# KiCad board 4in1.kicad_pcb
rev: rev3.3
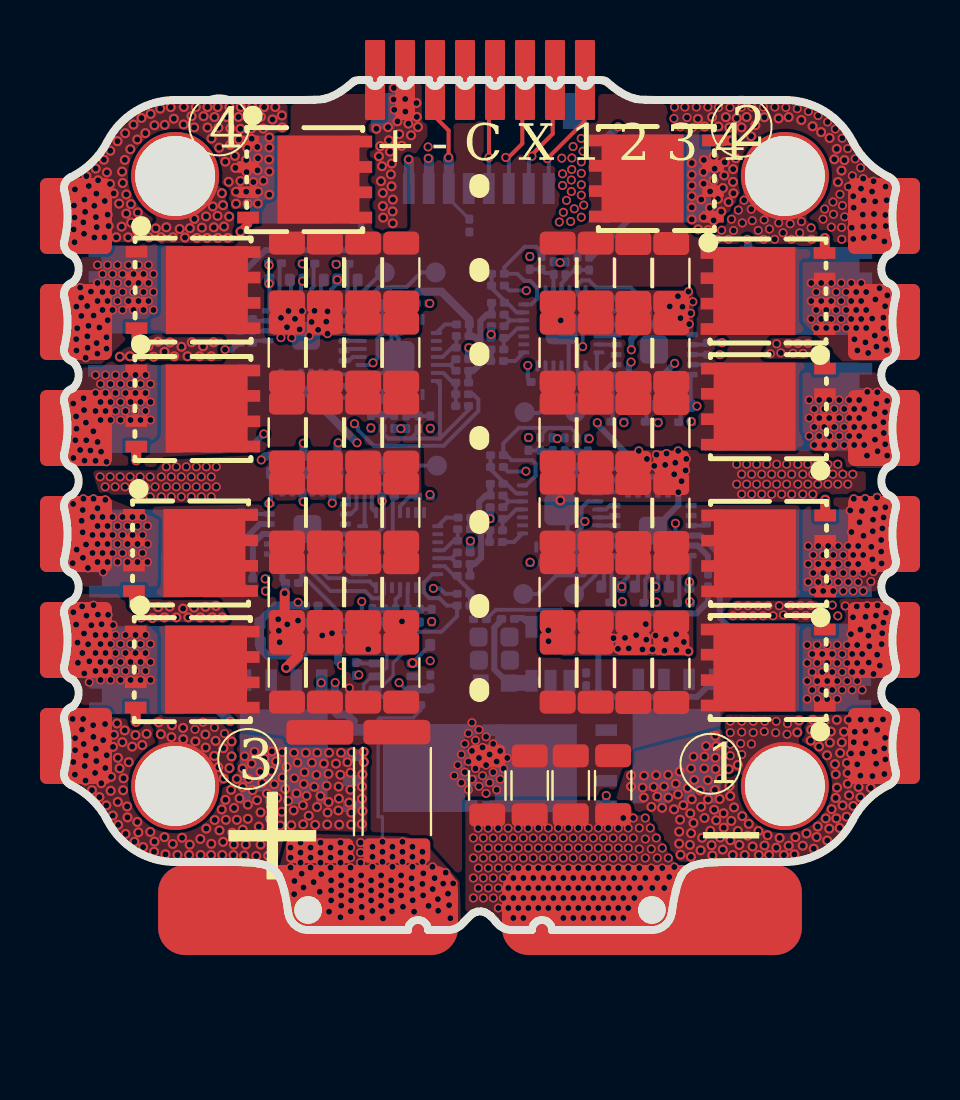
[diagram p0: board, top side]
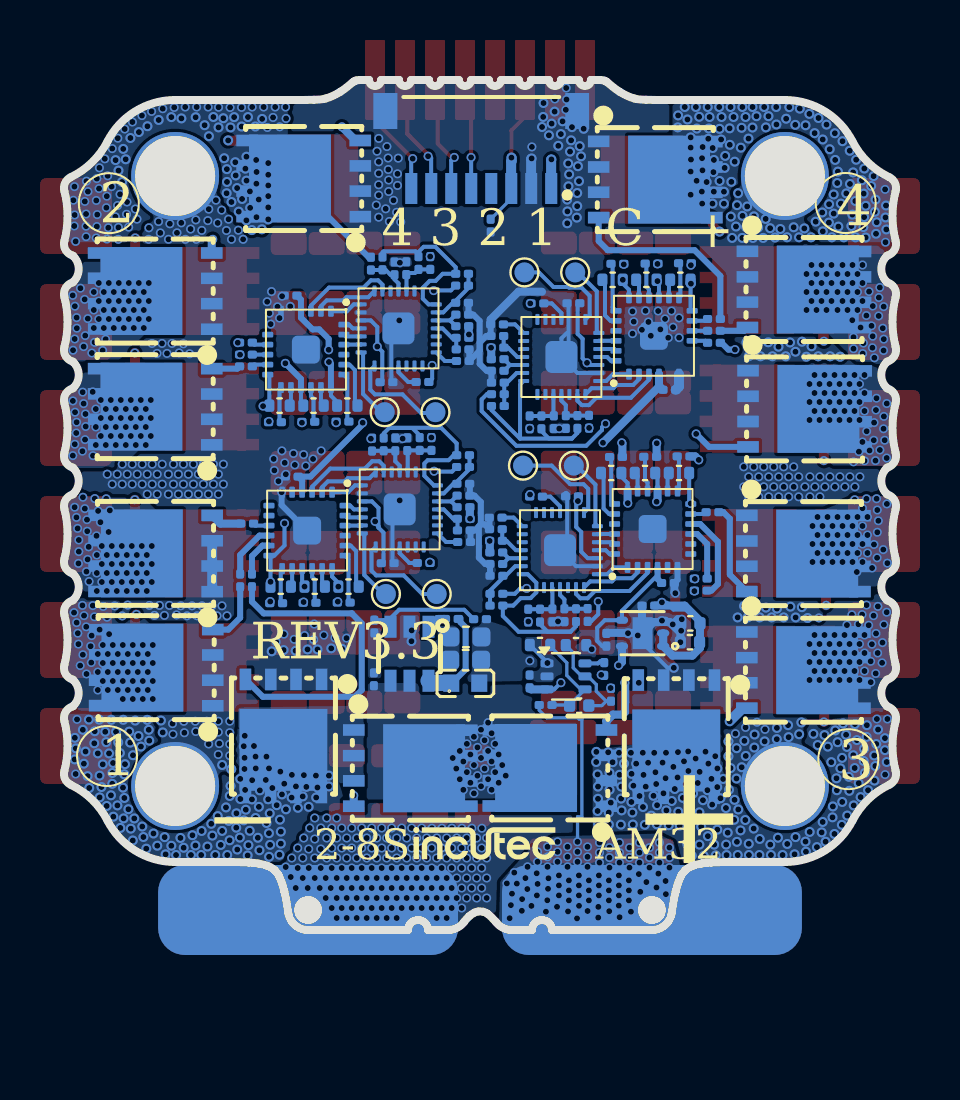
[diagram p1: board, bottom side, seen from below]

Outline 41.58 x 42.5 mm; copper layers: Top, In1.Cu, In2.Cu, In3.Cu, In4.Cu, Bottom. Coordinates in mm from the lower left corner of the outline.
Stack: Top 0.07mm / dielectric 0.1mm FR4 er 4.5 / In1.Cu 0.035mm / dielectric 0.545mm FR4 er 4.5 / In2.Cu 0.035mm / dielectric 0.1mm FR4 er 4.5 / In3.Cu 0.035mm / dielectric 0.545mm FR4 er 4.5 / In4.Cu 0.035mm / dielectric 0.1mm FR4 er 4.5 / Bottom 0.07mm

## Placement (name value [footprint] x y rotation side)
C2  4.7uF  [C_1206_3216Metric]  23.28 7.23 270 top
C2#2  4.7uF  [C_1206_3216Metric]  27.45 7.24 270 top
C3  4.7uF  [C_1206_3216Metric]  21.15 7.23 270 top
C3#2  4.7uF  [C_1206_3216Metric]  25.33 7.24 270 top
C4  22uF  [C_0402_1005Metric]  10.27 15.33 180 bottom
C6  4.7uF  [C_1206_3216Metric]  11.13 24.88 270 top
C8  4.7uF  [C_1206_3216Metric]  13.03 32.88 270 top
C9  4.7uF  [C_1206_3216Metric]  11.13 32.88 270 top
C13  4.7uF  [C_1206_3216Metric]  26.58 32.87 270 top
C13#2  4.7uF  [C_1206_3216Metric]  30.36 32.85 270 top
C13#3  4.7uF  [C_1206_3216Metric]  16.85 32.87 270 top
C14  4.7uF  [C_1206_3216Metric]  24.68 32.87 270 top
C14#2  4.7uF  [C_1206_3216Metric]  28.46 32.85 270 top
C14#3  4.7uF  [C_1206_3216Metric]  14.95 32.87 270 top
C17  4.7uF  [C_1206_3216Metric]  11.13 28.88 90 top
C18  4.7uF  [C_1206_3216Metric]  13.03 28.88 90 top
C26  4.7uF  [C_1206_3216Metric]  28.46 28.85 90 top
C26#2  4.7uF  [C_1206_3216Metric]  24.68 28.87 90 top
C26#3  4.7uF  [C_1206_3216Metric]  14.95 28.87 90 top
C27  4.7uF  [C_1206_3216Metric]  26.58 28.87 90 top
C27#2  4.7uF  [C_1206_3216Metric]  30.36 28.85 90 top
C27#3  4.7uF  [C_1206_3216Metric]  16.85 28.87 90 top
C30  4.7uF  [C_1206_3216Metric]  13.03 24.88 270 top
C32  100nF  [C_0402_WIDE]  29.06 17.17 180 bottom
C33  100nF  [C_0402_WIDE]  29.12 26.22 180 bottom
C34  100nF  [C_0402_WIDE]  12.54 22.85 0 bottom
C35  100nF  [C_0402_WIDE]  12.47 32.51 0 bottom
C36  100nF  [C_0402_WIDE]  30.76 17.17 180 bottom
C37  100nF  [C_0402_WIDE]  30.82 26.22 180 bottom
C38  100nF  [C_0402_WIDE]  10.84 22.85 0 bottom
C39  100nF  [C_0402_WIDE]  10.77 32.51 0 bottom
C40  100nF  [C_0402_WIDE]  15.99 14.24 180 bottom
C41  100nF  [C_0402_WIDE]  17.79 14.25 0 bottom
C42  1uF  [C_0402_1005Metric]  15.83 11.22 0 bottom
C43  4.7uF  [C_1206_3216Metric]  16.85 24.87 270 top
C43#2  4.7uF  [C_1206_3216Metric]  26.58 24.87 270 top
C43#3  4.7uF  [C_1206_3216Metric]  30.36 24.85 270 top
C44  4.7uF  [C_1206_3216Metric]  28.46 24.85 270 top
C44#2  4.7uF  [C_1206_3216Metric]  24.68 24.87 270 top
C44#3  4.7uF  [C_1206_3216Metric]  14.95 24.87 270 top
C47  22uF  [C_0603_1608Metric]  21.49 14.65 0 bottom
C48  100nF  [C_0201_0603Metric]  21.62 21.72 180 bottom
C49  100nF  [C_0201_0603Metric]  25.41 18.34 180 bottom
C50  100nF  [C_0201_0603Metric]  21.6 19.98 180 bottom
C51  22uF  [C_0402_1005Metric]  10.29 14.39 180 bottom
C52  100nF  [C_0201_0603Metric]  21.66 29.03 180 bottom
C53  100nF  [C_0402_WIDE]  27.37 17.17 180 bottom
C54  100nF  [C_0201_0603Metric]  21.68 30.77 180 bottom
C55  100nF  [C_0201_0603Metric]  25.47 27.39 180 bottom
C56  100nF  [C_0402_WIDE]  27.43 26.22 180 bottom
C57  100nF  [C_0201_0603Metric]  30.21 22.67 0 bottom
C58  100nF  [C_0201_0603Metric]  30.27 31.72 0 bottom
C59  100nF  [C_0201_0603Metric]  20 20.04 0 bottom
C60  100nF  [C_0201_0603Metric]  19.98 18.3 0 bottom
C61  100nF  [C_0201_0603Metric]  16.19 21.68 0 bottom
C62  100nF  [C_0402_WIDE]  14.23 22.85 0 bottom
C63  100nF  [C_0201_0603Metric]  11.39 17.35 180 bottom
C64  100nF  [C_0201_0603Metric]  19.93 29.7 0 bottom
C65  100nF  [C_0201_0603Metric]  19.91 27.96 0 bottom
C66  100nF  [C_0201_0603Metric]  16.12 31.34 0 bottom
C67  100nF  [C_0402_WIDE]  14.16 32.51 0 bottom
C68  100nF  [C_0201_0603Metric]  11.32 27.01 180 bottom
C69  4.7uF  [C_1206_3216Metric]  11.13 20.88 90 top
C70  4.7uF  [C_1206_3216Metric]  13.03 20.88 90 top
C74  100nF  [C_0201_0603Metric]  26.1 12.53 90 bottom
C75  100nF  [C_0201_0603Metric]  22.2 15.55 0 bottom
C76  100nF  [C_0201_0603Metric]  14.47 14.51 90 bottom
C81  100nF  [C_0201_0603Metric]  12.37 16.22 0 bottom
C82  4.7uF  [C_1206_3216Metric]  24.68 20.87 90 top
C82#2  4.7uF  [C_1206_3216Metric]  14.95 20.87 90 top
C82#3  4.7uF  [C_1206_3216Metric]  28.46 20.85 90 top
C83  4.7uF  [C_1206_3216Metric]  16.85 20.87 90 top
C83#2  4.7uF  [C_1206_3216Metric]  26.58 20.87 90 top
C83#3  4.7uF  [C_1206_3216Metric]  30.36 20.85 90 top
C84  4.7uF  [C_1206_3216Metric]  26.58 16.9 270 top
C84#2  4.7uF  [C_1206_3216Metric]  16.85 16.9 270 top
C84#3  4.7uF  [C_1206_3216Metric]  30.36 16.88 270 top
C85  4.7uF  [C_1206_3216Metric]  28.46 16.88 270 top
C85#2  4.7uF  [C_1206_3216Metric]  14.95 16.9 270 top
C85#3  4.7uF  [C_1206_3216Metric]  24.68 16.9 270 top
C86  22uF  [C_0603_1608Metric]  21.51 13.49 0 bottom
C93  100nF  [C_0201_0603Metric]  18.31 12.43 90 bottom
C94  100nF  [C_0201_0603Metric]  20.26 35.22 270 bottom
C96  4.7uF  [C_1206_3216Metric]  13.03 16.9 270 top
C97  4.7uF  [C_1206_3216Metric]  11.13 16.9 270 top
C98  4.7uF  [C_1206_3216Metric]  11.13 12.88 90 top
C99  4.7uF  [C_1206_3216Metric]  13.03 12.88 90 top
C107  4.7uF  [C_1206_3216Metric]  14.95 12.87 90 top
C107#2  4.7uF  [C_1206_3216Metric]  24.68 12.87 90 top
C107#3  4.7uF  [C_1206_3216Metric]  28.46 12.85 90 top
C108  4.7uF  [C_1206_3216Metric]  16.85 12.87 90 top
C108#2  4.7uF  [C_1206_3216Metric]  30.36 12.85 90 top
C108#3  4.7uF  [C_1206_3216Metric]  26.58 12.87 90 top
J1  SM08B-SRSS-TB  [JST_SM08B-SRSS-TB]  20.73 41.85 0 bottom
Q1  SP40N01GHNK  [PDFN-8L_L6.0-W5.0-P1.27]  24.28 8.09 270 bottom
Q2  SP40N01GHNK  [PDFN-8L_L6.0-W5.0-P1.27]  30.62 9.7 0 bottom
Q3  SP40N01GHNK  [PDFN-8L_L6.0-W5.0-P1.27]  37.04 26.17 90 bottom
Q4  SP40N01GHNK  [PDFN-8L_L6.0-W5.0-P1.27]  4.61 18.82 270 bottom
Q5  SP40N01GHNK  [PDFN-8L_L6.0-W5.0-P1.27]  12.02 37.52 270 bottom
Q6  SP40N01GHNK  [PDFN-8L_L6.0-W5.0-P1.27]  35.21 13.13 90 top
Q7  SP40N01GHNK  [PDFN-8L_L6.0-W5.0-P1.27]  35.22 26.17 90 top
Q8  SP40N01GHNK  [PDFN-8L_L6.0-W5.0-P1.27]  35.2 31.95 90 top
Q9  SP40N01GHNK  [PDFN-8L_L6.0-W5.0-P1.27]  6.4 13.02 270 top
Q10  SP40N01GHNK  [PDFN-8L_L6.0-W5.0-P1.27]  6.44 32 270 top
Q11  SP40N01GHNK  [PDFN-8L_L6.0-W5.0-P1.27]  36.99 13.12 90 bottom
Q12  SP40N01GHNK  [PDFN-8L_L6.0-W5.0-P1.27]  37.04 31.95 90 bottom
Q13  SP40N01GHNK  [PDFN-8L_L6.0-W5.0-P1.27]  6.31 18.85 270 top
Q14  SP40N01GHNK  [PDFN-8L_L6.0-W5.0-P1.27]  4.61 12.99 270 bottom
Q15  SP40N01GHNK  [PDFN-8L_L6.0-W5.0-P1.27]  4.58 32.03 270 bottom
Q16  SP40N01GHNK  [PDFN-8L_L6.0-W5.0-P1.27]  35.23 18.83 90 top
Q17  SP40N01GHNK  [PDFN-8L_L6.0-W5.0-P1.27]  29.61 37.58 90 top
Q18  SP40N01GHNK  [PDFN-8L_L6.0-W5.0-P1.27]  17.3 8.1 90 bottom
Q19  SP40N01GHNK  [PDFN-8L_L6.0-W5.0-P1.27]  12.02 37.52 270 top
Q20  SP40N01GHNK  [PDFN-8L_L6.0-W5.0-P1.27]  6.43 26.08 270 top
Q21  SP40N01GHNK  [PDFN-8L_L6.0-W5.0-P1.27]  37.02 18.83 90 bottom
Q22  SP40N01GHNK  [PDFN-8L_L6.0-W5.0-P1.27]  29.61 37.58 90 bottom
Q23  SP40N01GHNK  [PDFN-8L_L6.0-W5.0-P1.27]  10.97 9.67 0 bottom
Q24  SP40N01GHNK  [PDFN-8L_L6.0-W5.0-P1.27]  4.55 26.06 270 bottom
R10  10k  [C_0201_0603Metric]  21.69 32.81 0 bottom
R11  1k  [C_0201_0603Metric]  21.69 31.36 0 bottom
R12  10k  [C_0201_0603Metric]  21.69 32.22 180 bottom
R13  10k  [C_0201_0603Metric]  23.87 33.35 270 bottom
R14  1k  [C_0201_0603Metric]  24.48 33.09 270 bottom
R15  10k  [C_0201_0603Metric]  23.28 33.35 270 bottom
R18  10k  [R_0201_0603Metric]  21.61 20.56 180 bottom
R19  10k  [R_0201_0603Metric]  21.59 19.4 180 bottom
R20  220R  [R_0201_0603Metric]  23.61 18.35 0 bottom
R21  10k  [R_0201_0603Metric]  21.67 29.61 180 bottom
R22  10k  [R_0201_0603Metric]  21.65 28.45 180 bottom
R23  15R  [R_0201_0603Metric]  30.99 16.34 0 bottom
R24  15R  [R_0201_0603Metric]  31.05 25.39 0 bottom
R25  10k  [C_0201_0603Metric]  21.64 23.74 0 bottom
R26  1k  [C_0201_0603Metric]  21.63 22.31 0 bottom
R27  10k  [C_0201_0603Metric]  21.64 23.15 180 bottom
R28  10k  [C_0201_0603Metric]  23.81 24.3 270 bottom
R29  1k  [C_0201_0603Metric]  24.43 24.29 270 bottom
R30  10k  [C_0201_0603Metric]  23.22 24.3 270 bottom
R31  10k  [C_0201_0603Metric]  25.61 24.28 270 bottom
R32  1k  [C_0201_0603Metric]  25.03 24.28 270 bottom
R33  10k  [C_0201_0603Metric]  26.19 24.27 270 bottom
R34  10k  [C_0201_0603Metric]  25.67 33.33 270 bottom
R35  1k  [C_0201_0603Metric]  25.07 33.08 270 bottom
R36  10k  [C_0201_0603Metric]  26.25 33.32 270 bottom
R37  15R  [R_0201_0603Metric]  10.61 23.68 180 bottom
R38  15R  [R_0201_0603Metric]  10.54 33.34 180 bottom
R39  220R  [R_0201_0603Metric]  23.67 27.4 0 bottom
R40  10k  [R_0201_0603Metric]  19.99 19.46 0 bottom
R41  10k  [R_0201_0603Metric]  20.01 20.62 0 bottom
R42  15R  [R_0201_0603Metric]  32.44 20.32 0 bottom
R43  15R  [R_0201_0603Metric]  32.5 29.37 0 bottom
R44  15R  [R_0201_0603Metric]  9.75 17.57 0 bottom
R45  15R  [R_0201_0603Metric]  9.09 29.36 180 bottom
R46  10k  [C_0201_0603Metric]  19.97 16.22 180 bottom
R47  1k  [C_0201_0603Metric]  19.97 17.71 180 bottom
R48  10k  [C_0201_0603Metric]  19.97 16.81 0 bottom
R49  10k  [C_0201_0603Metric]  17.79 15.72 90 bottom
R50  1k  [C_0201_0603Metric]  17.17 15.73 90 bottom
R51  10k  [C_0201_0603Metric]  18.38 15.72 90 bottom
R52  10k  [C_0201_0603Metric]  15.99 15.74 90 bottom
R53  1k  [C_0201_0603Metric]  16.57 15.74 90 bottom
R54  10k  [C_0201_0603Metric]  15.41 15.75 90 bottom
R55  15R  [R_0201_0603Metric]  29.32 16.36 0 bottom
R56  15R  [R_0201_0603Metric]  29.38 25.41 0 bottom
R57  220R  [R_0201_0603Metric]  17.99 21.67 180 bottom
R58  10k  [R_0201_0603Metric]  19.92 29.12 0 bottom
R59  10k  [R_0201_0603Metric]  19.94 30.28 0 bottom
R60  15R  [R_0201_0603Metric]  12.28 23.66 180 bottom
R61  15R  [R_0201_0603Metric]  12.21 33.32 180 bottom
R62  15R  [R_0201_0603Metric]  32.79 17.48 270 bottom
R63  15R  [R_0201_0603Metric]  32.5 28.77 0 bottom
R64  10k  [C_0201_0603Metric]  19.9 26.2 0 bottom
R65  1k  [C_0201_0603Metric]  19.9 27.37 180 bottom
R66  10k  [C_0201_0603Metric]  19.9 26.79 180 bottom
R67  10k  [C_0201_0603Metric]  17.72 25.38 90 bottom
R68  1k  [C_0201_0603Metric]  17.1 25.39 90 bottom
R69  10k  [C_0201_0603Metric]  18.31 25.38 90 bottom
R70  10k  [C_0201_0603Metric]  15.92 25.4 90 bottom
R71  1k  [C_0201_0603Metric]  16.5 25.4 90 bottom
R72  10k  [C_0201_0603Metric]  15.34 25.41 90 bottom
R73  1k  [C_0201_0603Metric]  14.58 13.05 90 bottom
R74  15R  [R_0201_0603Metric]  9.75 16.97 0 bottom
R75  15R  [R_0201_0603Metric]  9.09 29.96 180 bottom
R76  15R  [R_0201_0603Metric]  27.61 16.37 0 bottom
R77  15R  [R_0201_0603Metric]  27.67 25.42 0 bottom
R78  15R  [R_0201_0603Metric]  13.99 23.65 180 bottom
R79  15R  [R_0201_0603Metric]  13.92 33.31 180 bottom
R80  15R  [R_0201_0603Metric]  32.2 17.48 270 bottom
R81  15R  [R_0201_0603Metric]  32.5 28.18 0 bottom
R82  15R  [R_0201_0603Metric]  9.16 20.89 180 bottom
R83  15R  [R_0201_0603Metric]  9.09 30.55 180 bottom
R84  10R  [R_0201_0603Metric]  21.62 21.14 180 bottom
R85  10R  [R_0201_0603Metric]  21.68 30.19 180 bottom
R86  10R  [R_0201_0603Metric]  19.98 18.88 0 bottom
R87  220R  [R_0201_0603Metric]  17.92 31.33 180 bottom
R88  10R  [R_0201_0603Metric]  19.91 28.54 0 bottom
R89  1k  [C_0201_0603Metric]  14.24 11.76 90 bottom
R90  1k  [C_0201_0603Metric]  17.51 11.25 0 bottom
R120  115k  [R_0201_0603Metric]  20.79 15.54 0 bottom
R121  10k  [R_0201_0603Metric]  26.08 15.17 270 bottom
Rsense1  0.2mR  [R_2512_6332Metric]  12.78 6.92 90 top
Rsense2  0.2mR  [R_2512_6332Metric]  16.63 6.93 90 top
TP1  TestPoint  [TestPoint_Pad_D1.0mm]  25.5 16.8 270 bottom
TP2  TestPoint  [TestPoint_Pad_D1.0mm]  25.56 25.89 270 bottom
TP3  TestPoint  [TestPoint_Pad_D1.0mm]  16.1 23.22 90 bottom
TP4  TestPoint  [TestPoint_Pad_D1.0mm]  22.96 16.8 315 bottom
TP5  TestPoint  [TestPoint_Pad_D1.0mm]  23.02 25.89 315 bottom
TP6  TestPoint  [TestPoint_Pad_D1.0mm]  18.64 23.22 135 bottom
TP7  TestPoint  [TestPoint_Pad_D1.0mm]  16.03 32.88 90 bottom
TP8  TestPoint  [TestPoint_Pad_D1.0mm]  18.57 32.88 135 bottom
U2  AT32F421G8U7  [QFN-28_L4.0-W4.0-P0.40-TL-EP2.4]  24.81 21.03 0 bottom
U3  ~  [4in1ESC30x30]  20.36 22.6 0 top
U4  NSG2065Q  [QFN-24_L4.0-W4.0-P0.50-TL-EP2.8]  29.44 19.97 270 bottom
U5  AT32F421G8U7  [QFN-28_L4.0-W4.0-P0.40-TL-EP2.4]  24.87 30.08 0 bottom
U6  NSG2065Q  [QFN-24_L4.0-W4.0-P0.50-TL-EP2.8#2]  29.5 29.02 270 bottom
U7  AT32F421G8U7  [QFN-28_L4.0-W4.0-P0.40-TL-EP2.4]  16.79 18.99 180 bottom
U8  NSG2065Q  [QFN-24_L4.0-W4.0-P0.50-TL-EP2.8]  12.16 20.05 90 bottom
U9  AT32F421G8U7  [QFN-28_L4.0-W4.0-P0.40-TL-EP2.4#2]  16.72 28.65 180 bottom
U10  NSG2065Q  [QFN-24_L4.0-W4.0-P0.50-TL-EP2.8#3]  12.09 29.71 90 bottom
U12  INA186A3IDCKR  [SOT-363_SC-70-6]  16.49 12.68 180 bottom
U13  LMR54406DBVR  [SOT-23-6_L2.9-W1.6-P0.95-LS2.8-BR]  24.32 13.81 90 bottom
U14  FTC160808S4R7MBCA  [IND-SMD_L1.6-W0.8_FTC160865SR47MBCA]  21.53 12.34 0 bottom
U15  TLV76733DRVR  [WSON-6_L2.0-W2.0-P0.65-TL-EP]  12.66 14.84 0 bottom

## Library data of the parts
C2 C2#2 C3 C3#2 C6 = -: Datasheet: X5R 50V; Description: Unpolarized capacitor; KiLib_Generator: SMD_2terminal_chip_molded; LCSC: C380366; Manufacturer: CCTC; MPN: TCC1206X7R475K500HT; ki_fp_filters: C_*
C4 C51 = -: Datasheet: X5R 6.3V; Description: Unpolarized capacitor; KiLib_Generator: SMD_2terminal_chip_molded; LCSC: C105226; Cost: 0.037; MPN: CL05A226MQ5QUNC; ki_fp_filters: C_*
C8 C9 C13 C13#2 C13#3 C14 C14#2 C14#3 C17 C18 C26 C26#2 C26#3 C27 C27#2 C27#3 C30 C43 C43#2 C43#3 C44 C44#2 C44#3 C69 C70 C82 C82#2 C82#3 C83 C83#2 C83#3 C84 C84#2 C84#3 C85 C85#2 C85#3 C96-C99 C107 C107#2 C107#3 C108 C108#2 C108#3 = -: Datasheet: X5R 50V; Description: Unpolarized capacitor; KiLib_Generator: SMD_2terminal_chip_molded; LCSC: C380366; ki_fp_filters: C_*
C32-C41 C53 C56 C62 C67 = -: Datasheet: https://item.szlcsc.com/360022.html; KiLib_Generator: SMD_2terminal_chip_molded; LCSC: C307331; Cost: 0.003257; MPN: CL05B104KB54PNC
C42 = -: Datasheet: https://item.szlcsc.com/360022.html; LCSC: C7500381; Cost: 0.003257; MPN: CC0402KRX7R6BB105
C47 C86 = -: Datasheet: X5R 16v; Description: Unpolarized capacitor; KiLib_Generator: SMD_2terminal_chip_molded; LCSC: C2762594; Cost: 0.04157; MPN: CL10A226MO7JZNC; ki_fp_filters: C_*
C48-C50 C52 C54 C55 C57-C61 C63-C66 C68 C74-C76 C81 C93 C94 = -: Datasheet: https://item.szlcsc.com/360022.html; KiLib_Generator: SMD_2terminal_chip_molded; LCSC: C181043; Cost: 0.008457; MPN: GRM033R6YA104KE14D
J1 = -: Datasheet: https://www.jst-mfg.com/product/pdf/eng/eSR.pdf; Description: JST SH series 8-pin 1.0mm pitch SMD connector, Betaflight standard; LCSC: C160407; Cost: 0.2523; MPN: SM08B-SRSS-TB(LF)(SN); FT Position Offset: 0,2.835
Q1-Q24 = -: Description: -55℃~+150℃ 1.5V@250uA 1.675nF 2.9mΩ@10V 26nC@20V 31pF 395pF 40V 55W 75A N-Channel PDFN-8L(3x3) MOSFETs ROHS; LCSC: C22385416; Cost: 0.3843; FT Position Offset: 0,-1.06
R10 R12 R13 R15 R18 R19 R21 R22 R25 R27 R28 R30 R31 R33 R34 R36 R40 R41 R46 R48 R49 R51 R52 R54 R58 R59 R64 R66 R67 R69 R70 R72 = -: Datasheet: https://item.szlcsc.com/239136.html; KiLib_Generator: SMD_2terminal_chip_molded; LCSC: C106225; Cost: 0.0007714; MPN: RC0201FR-0710KL
R11 R14 R26 R29 R32 R35 R47 R50 R53 R65 R68 R71 R73 R89 R90 = -: Datasheet: https://item.szlcsc.com/239136.html; KiLib_Generator: SMD_2terminal_chip_molded; LCSC: C270365; Cost: 0.0006; MPN: 0201WMF1001TEE
R20 R39 R57 R87 = -: Datasheet: https://item.szlcsc.com/239136.html; KiLib_Generator: SMD_2terminal_chip_molded; LCSC: C226468; Cost: 0.001529; MPN: AC0201FR-07220RL
R23 R24 R37 R38 R42-R45 R55 R56 R60-R63 R74-R83 = -: Description: SMD 0402 Chip Resistor, European Symbol, Alternate KiCad Library; KiLib_Generator: SMD_2terminal_chip_molded; LCSC: C473542; Cost: 0.0006286; MPN: 0201WMF150JTEE; ki_fp_filters: R_*
R84-R86 R88 = -: Description: Resistor; KiLib_Generator: SMD_2terminal_chip_molded; LCSC: C106226; Cost: 0.0017; MPN: RC0201FR-0710RL; ki_fp_filters: R_*
R120 = -: Description: Resistor; KiLib_Generator: SMD_2terminal_chip_molded; LCSC: C166378; Cost: 0.0005429; MPN: RTT011153FTH; ki_fp_filters: R_*
R121 = -: Description: Resistor; LCSC: C106225; Cost: 0.0007714; MPN: RC0201FR-0710KL; ki_fp_filters: R_*
Rsense1 Rsense2 = -: Description: shunt; KiLib_Generator: SMD_2terminal_chip_molded; LCSC: C695806; Cost: 0.2657; MPN: ASR-S-3-0.2F; ki_fp_filters: R_*
TP1-TP8 = -: Description: test point; ki_fp_filters: Pin* Test*
U2 U5 U7 U9 = -: Datasheet: https://item.szlcsc.com/2794672.html; LCSC: C2765098; Cost: 0.76; Manufacturer: ArteryTek
U4 U6 U8 U10 = -: Datasheet: https://atta.szlcsc.com/upload/public/pdf/source/20230606/9108084F8D3399931DD16D047B315AD0.pdf; LCSC: C41414478; Cost: 0.3657
U12 = -: Datasheet: https://www.ti.com/lit/ds/symlink/ina186.pdf; Description: INA186 36V, Low-Power, Precision, Voltage-Output Current Sense Amplifier, 100V/V gain; LCSC: C2058245; Cost: 0.79; Manufacturer: Texas Instruments; FT Rotation Offset: 270
U13 = -: Datasheet: https://www.lcsc.com/datasheet/C5219316.pdf; LCSC Part: C5219316; Manufacturer: Texas Instruments; Cost: 0.4229; LCSC: C5219316
U14 = -: Datasheet: https://atta.szlcsc.com/upload/public/pdf/source/20230602/8FFEDA9C0247A92A0D4B67554BFE4091.pdf; Description: 4.7uH; LCSC: C46594347; Cost: 0.1079
U15 = -: LCSC: C2848334; Cost: 0.242; Manufacturer: Texas Instruments

## Footprints (pads in the part's own frame, mm; a bottom-side part is the same pattern mirrored in y, then rotated)
4in1ESC30x30
  rrect 15x4.5 hole 1.2: 1(-8.167,-21.6) 2(9.033,-21.6)
  rrect 1x4 smd: 3(-4.817,19.9) 4(-3.317,19.9) 5(-1.817,19.9) 6(-0.317,19.9) 7(1.183,19.9) 8(2.683,19.9) 9(4.183,19.9) 10(5.683,19.9)
  round 4.4 hole 4: 11(-14.817,15.1) 11(-14.817,-15.4) 11(15.683,15.1) 11(15.683,-15.4)
  rrect 3.6x2.2 smd: 12(-19.778,11.7) 12(-19.778,14.5) 13(-19.778,9.2) 13(-19.778,6.4) 14(-19.778,3.9) 14(-19.778,1.1) 15(-19.778,-1.4) 15(-19.778,-4.2) 16(-19.778,-6.7) 16(-19.778,-9.5) 17(-19.778,-12) 17(-19.778,-14.8) 18(20.643,14.5) 18(20.643,11.7) 19(20.643,9.2) 19(20.643,6.4) 20(20.643,3.9) 20(20.643,1.1) 21(20.643,-1.4) 21(20.643,-4.2) 22(20.643,-6.7) 22(20.643,-9.5) 23(20.643,-12) 23(20.643,-14.8)
C_0201_0603Metric
  rrect 0.318x0.36 smd: (-0.345,0) (0.345,0)
  rrect 0.46x0.4 smd: 1(-0.32,0) 2(0.32,0)
C_0402_1005Metric
  rrect 0.56x0.62 smd: 1(-0.48,0) 2(0.48,0)
C_0402_WIDE
  rrect 0.5x0.62 smd: 1(-0.51,0) 2(0.51,0)
C_0603_1608Metric
  rrect 0.9x0.95 smd: 1(-0.775,0) 2(0.775,0)
C_1206_3216Metric
  rrect 1.15x1.8 smd: 1(-1.475,0) 2(1.475,0)
IND-SMD_L1.6-W0.8_FTC160865SR47MBCA
  rect 0.8x0.864 smd: 1(0.7,0) 2(-0.7,0)
JST_SM08B-SRSS-TB
  rect 0.6x1.55 smd: 1(-3.5,4.775) 2(-2.5,4.775) 3(-1.5,4.775) 4(-0.5,4.775) 5(0.5,4.775) 6(1.5,4.775) 7(2.5,4.775) 8(3.5,4.775)
  rect 1.2x1.8 smd: P1(-4.8,0.9) P2(4.8,0.9)
PDFN-8L_L6.0-W5.0-P1.27
  rect 0.58x1.08 smd: 1(-1.91,-2.83) 1(-0.63,-2.83) 1(0.63,-2.83) 2(1.9,-2.83) 3(-1.9,2.83) 3(-0.63,2.83) 3(0.64,2.83) 3(1.9,2.83)
  rect 4.4x4.1 smd: 3(0,0.69)
QFN-24_L4.0-W4.0-P0.50-TL-EP2.8
  rrect 0.55x0.28 smd: 1(-1.92,1.25) 2(-1.92,0.75) 3(-1.92,0.25) 4(-1.92,-0.25) 5(-1.92,-0.75) 6(-1.92,-1.25) 13(1.9,-1.25) 14(1.9,-0.75) 15(1.9,-0.25) 16(1.9,0.25) 17(1.9,0.75) 18(1.9,1.25)
  rrect 0.28x0.55 smd: 7(-1.25,-1.91) 8(-0.75,-1.91) 9(-0.25,-1.91) 10(0.25,-1.91) 11(0.75,-1.91) 12(1.25,-1.91) 19(1.25,1.9) 20(0.75,1.9) 21(0.25,1.9) 22(-0.25,1.9) 23(-0.75,1.9) 24(-1.25,1.9)
  rrect 1.4x1.4 smd: 25(0,0)
QFN-24_L4.0-W4.0-P0.50-TL-EP2.8#2
  rrect 0.55x0.28 smd: 1(-1.92,1.25) 2(-1.92,0.75) 3(-1.92,0.25) 4(-1.92,-0.25) 6(-1.92,-1.25) 13(1.9,-1.25) 14(1.9,-0.75) 15(1.9,-0.25) 16(1.9,0.25) 17(1.9,0.75) 18(1.9,1.25)
  rrect 0.28x0.55 smd: 8(-0.75,-1.91) 9(-0.25,-1.91) 10(0.25,-1.91) 11(0.75,-1.91) 12(1.25,-1.91) 19(1.25,1.9) 20(0.75,1.9) 21(0.25,1.9) 22(-0.25,1.9) 23(-0.75,1.9) 24(-1.25,1.9)
  rrect 1.4x1.4 smd: 25(0,0)
QFN-24_L4.0-W4.0-P0.50-TL-EP2.8#3
  rrect 0.55x0.28 smd: 1(-1.92,1.25) 2(-1.92,0.75) 3(-1.92,0.25) 4(-1.92,-0.25) 6(-1.92,-1.25) 13(1.9,-1.25) 14(1.9,-0.75) 15(1.9,-0.25) 16(1.9,0.25) 17(1.9,0.75) 18(1.9,1.25)
  rrect 0.28x0.55 smd: 9(-0.25,-1.91) 10(0.25,-1.91) 11(0.75,-1.91) 12(1.25,-1.91) 19(1.25,1.9) 20(0.75,1.9) 21(0.25,1.9) 22(-0.25,1.9) 23(-0.75,1.9) 24(-1.25,1.9)
  rrect 1.4x1.4 smd: 25(0,0)
QFN-28_L4.0-W4.0-P0.40-TL-EP2.4
  rrect 0.55x0.2 smd: 1(-1.89,1.2) 2(-1.89,0.8) 3(-1.89,0.4) 4(-1.89,0.001) 5(-1.89,-0.4) 6(-1.89,-0.8) 7(-1.89,-1.2) 15(1.87,-1.2) 16(1.87,-0.8) 17(1.87,-0.4) 18(1.87,0) 19(1.87,0.4) 20(1.87,0.8) 21(1.87,1.2)
  rrect 0.2x0.55 smd: 9(-0.8,-1.87) 10(-0.4,-1.87) 11(0,-1.87) 12(0.4,-1.87) 13(0.8,-1.87) 14(1.2,-1.87) 22(1.2,1.88) 25(0,1.88) 26(-0.4,1.88) 27(-0.8,1.88) 28(-1.2,1.88)
  rrect 1.6x1.6 smd: 29(0,0)
QFN-28_L4.0-W4.0-P0.40-TL-EP2.4#2
  rrect 0.55x0.2 smd: 1(-1.89,1.2) 2(-1.89,0.8) 3(-1.89,0.4) 4(-1.89,0.001) 5(-1.89,-0.4) 6(-1.89,-0.8) 7(-1.89,-1.2) 15(1.87,-1.2) 16(1.87,-0.8) 17(1.87,-0.4) 18(1.87,0) 19(1.87,0.4) 20(1.87,0.8) 21(1.87,1.2)
  rrect 0.2x0.55 smd: 8(-1.2,-1.87) 9(-0.8,-1.87) 10(-0.4,-1.87) 11(0,-1.87) 12(0.4,-1.87) 13(0.8,-1.87) 14(1.2,-1.87) 22(1.2,1.88) 25(0,1.88) 26(-0.4,1.88) 27(-0.8,1.88) 28(-1.2,1.88)
  rrect 1.6x1.6 smd: 29(0,0)
R_0201_0603Metric
  rrect 0.318x0.36 smd: (-0.345,0) (0.345,0)
  rrect 0.46x0.4 smd: 1(-0.32,0) 2(0.32,0)
R_2512_6332Metric
  rrect 1.225x3.35 smd: 1(-2.962,0) 2(2.962,0)
SOT-23-6_L2.9-W1.6-P0.95-LS2.8-BR
  rect 1.1x0.6 smd: 1(1.35,-0.95) 2(1.35,0) 3(1.35,0.95) 4(-1.35,0.95) 5(-1.35,0) 6(-1.35,-0.95)
SOT-363_SC-70-6
  rrect 0.65x0.4 smd: 1(-0.95,0.65) 2(-0.95,0) 3(-0.95,-0.65) 4(0.95,-0.65) 5(0.95,0) 6(0.95,0.65)
TestPoint_Pad_D1.0mm
  round 1 smd: 1(0,0)
WSON-6_L2.0-W2.0-P0.65-TL-EP
  oval 0.61x0.36 smd: 1(-1.03,0.65) 2(-1.03,0) 3(-1.03,-0.65) 4(1.03,-0.65) 5(1.03,0) 6(1.03,0.65)
  rect 1x1.6 smd: 7(0,0)
